# Allegro board 038RT-9068CJK8E-A100_0921_1.brd (continued)
## Placement (name value [footprint] x y rotation side) (continued)
UNK2RR401  0-5-S6  [R0603]  181.24 261.32 0 bottom
UNK2RR402  0-5-S6  [R0603]  165.48 273.73 0 bottom
UNK2RR403  0-5-S6  [R0603]  181.24 273.73 0 bottom
UNK2RR404  0-5-S6  [R0603]  181.24 262.84 0 bottom
UNK2RR405  0-5-S6  [R0603]  197 261.32 0 bottom
UNK2RR406  0-5-S6  [R0603]  181.24 275.26 0 bottom
UNK2RR407  0-5-S6  [R0603]  181.24 269.05 0 bottom
UNK2RR408  0-5-S6  [R0603]  165.48 261.32 0 bottom
UNK2RR409  0-5-S6  [R0603]  165.48 262.84 0 bottom
UNK2RR410  0-5-S6  [R0603]  165.48 267.53 0 bottom
UNK2RR411  0-5-S6  [R0603]  165.48 269.05 0 bottom
UNK2RR412  0-5-S6  [R0603]  181.24 267.53 0 bottom
UNK2RR413  0-5-S6  [R0603]  165.48 275.26 0 bottom
UNK2RR500  0-1-S2-YA  [R0201]  98.16 290.71 90 bottom
UNK2RR501  0-1-S2-YA  [R0201]  100.2 289.49 270 bottom
UNK2RR502  0-1-S2-YA  [R0201]  96.13 290.71 90 bottom
UNK2RR503  0-1-S2-YA  [R0201]  94.1 289.49 270 bottom
UNK2RR504  0-1-S2-YA  [R0201]  104.26 290.71 90 bottom
UNK2RR505  0-1-S2-YA  [R0201]  102.23 290.71 90 bottom
UNK2RR510  0-1-S2-YA  [R0201]  98.16 289.49 270 bottom
UNK2RR511  0-1-S2-YA  [R0201]  100.2 290.71 90 bottom
UNK2RR512  0-1-S2-YA  [R0201]  96.13 289.49 270 bottom
UNK2RR513  0-1-S2-YA  [R0201]  94.1 290.71 90 bottom
UNK2RR514  0-1-S2-YA  [R0201]  104.26 289.49 270 bottom
UNK2RR515  0-1-S2-YA  [R0201]  102.23 289.49 270 bottom
UNK2RR520  0-1-S2-YA  [R0201]  278.85 284.48 90 bottom
UNK2RR521  0-1-S2-YA  [R0201]  276.81 280.67 90 bottom
UNK2RR522  0-1-S2-YA  [R0201]  280.88 284.48 90 bottom
UNK2RR523  0-1-S2-YA  [R0201]  278.85 280.67 90 bottom
UNK2RR524  0-1-S2-YA  [R0201]  274.78 284.48 90 bottom
UNK2RR525  0-1-S2-YA  [R0201]  274.78 280.67 90 bottom
UNK2RR530  0-1-S2-YA  [R0201]  278.85 283.26 270 bottom
UNK2RR531  0-1-S2-YA  [R0201]  276.81 279.45 270 bottom
UNK2RR532  0-1-S2-YA  [R0201]  280.88 283.26 270 bottom
UNK2RR533  0-1-S2-YA  [R0201]  278.85 279.45 270 bottom
UNK2RR534  0-1-S2-YA  [R0201]  274.78 283.26 270 bottom
UNK2RR535  0-1-S2-YA  [R0201]  274.78 279.45 270 bottom
UNK2RR900  0-1-S2-YA  [R0201]  88 289.49 270 bottom
UNK2RR901  0-1-S2-YA  [R0201]  90.04 290.71 90 bottom
UNK2RR902  0-1-S2-YA  [R0201]  106.29 289.49 270 bottom
UNK2RR903  0-1-S2-YA  [R0201]  92.07 290.71 90 bottom
UNK2RR904  0-1-S2-YA  [R0201]  83.94 289.49 270 bottom
UNK2RR905  0-1-S2-YA  [R0201]  85.97 290.71 90 bottom
UNK2RR910  0-1-S2-YA  [R0201]  88 290.71 90 bottom
UNK2RR911  0-1-S2-YA  [R0201]  90.04 289.49 270 bottom
UNK2RR912  0-1-S2-YA  [R0201]  106.29 290.71 90 bottom
UNK2RR913  0-1-S2-YA  [R0201]  92.07 289.49 270 bottom
UNK2RR914  0-1-S2-YA  [R0201]  83.94 290.71 90 bottom
UNK2RR915  0-1-S2-YA  [R0201]  85.97 289.49 270 bottom
UNK2RR920  0-1-S2-YA  [R0201]  115.62 281.09 90 bottom
UNK2RR921  0-1-S2-YA  [R0201]  284.94 284.48 90 bottom
UNK2RR922  0-1-S2-YA  [R0201]  282.91 280.67 90 bottom
UNK2RR923  0-1-S2-YA  [R0201]  276.81 284.48 90 bottom
UNK2RR924  0-1-S2-YA  [R0201]  282.91 284.48 90 bottom
UNK2RR925  0-1-S2-YA  [R0201]  280.88 280.67 90 bottom
UNK2RR930  0-1-S2-YA  [R0201]  115.62 279.88 270 bottom
UNK2RR931  0-1-S2-YA  [R0201]  284.94 283.26 270 bottom
UNK2RR932  0-1-S2-YA  [R0201]  282.91 279.45 270 bottom
UNK2RR933  0-1-S2-YA  [R0201]  276.81 283.26 270 bottom
UNK2RR934  0-1-S2-YA  [R0201]  282.91 283.26 270 bottom
UNK2RR935  0-1-S2-YA  [R0201]  280.88 279.45 270 bottom
UNK2RRG49  10K-1-S4  [R0402]  94.47 240.02 270 bottom
UNK2RRG51  10K-1-S4  [R0402]  183.86 285.61 90 bottom
UNK2RRG52  NC/10K-1-S4  [R0402]  185.01 285.61 90 bottom
UNK2RRG53  10K-1-S4  [R0402]  183.86 283.32 270 bottom
UNK2RRG54  NC/10K-1-S4  [R0402]  185.01 283.32 270 bottom
UNK2RRG55  NC/10K-1-S4  [R0402]  199.1 285.61 90 bottom
UNK2RRG56  10K-1-S4  [R0402]  200.25 285.61 90 bottom
UNK2RRG57  NC/10K-1-S4  [R0402]  199.1 283.32 270 bottom
UNK2RRG58  10K-1-S4  [R0402]  200.25 283.32 270 bottom
UNK2RRG59  10K-1-S4  [R0402]  102.59 295.26 0 top
UNK2RRG91  10K-1-S4  [R0402]  148.01 285.56 90 bottom
UNK2RRG92  NC/10K-1-S4  [R0402]  149.15 285.56 90 bottom
UNK2RRG93  NC/10K-1-S4  [R0402]  148.01 283.27 270 bottom
UNK2RRG94  10K-1-S4  [R0402]  149.15 283.27 270 bottom
UNK2RRG95  NC/10K-1-S4  [R0402]  163.25 285.56 90 bottom
UNK2RRG96  10K-1-S4  [R0402]  164.39 285.56 90 bottom
UNK2RS5  NC/0-5-S4  [R0402]  264.34 269.36 90 bottom
UNK2RS6  100K-1-S4  [R0402]  155.15 457.76 0 top
UNK2RS7  0-5-SB  [R1210]  150.71 451.41 90 top
UNK2RS9  0-5-SB  [R1210]  151.34 459.03 0 top
UNK2RS11  NC/0-5-S4  [R0402]  300.57 242.4 90 bottom
UNK2RS104  10K-1-S4  [R0402]  248.39 428.41 0 bottom
UNK2RS114  10K-1-S4  [R0402]  250.52 428.41 180 bottom
UNK2RSG104  10K-1-S4  [R0402]  131.3 240.02 270 bottom
UNK2RSG105  10K-1-S4  [R0402]  113.52 237.61 270 bottom
UNK2RSG114  10K-1-S4  [R0402]  130.03 240.02 270 bottom
UNK2RSG115  10K-1-S4  [R0402]  113.52 240.02 90 bottom
UNK2RU11  4.7K-1-S4-WA  [R0402]  23.86 278.51 90 bottom
UNK2RU12  0-1-S4-YA  [R0402]  24.36 284.67 0 bottom
UNK2SPIH11  MX25L3233FM2I-08G-C-SO8/SK-SO8-1.27  [SK_SO8_1P27MM_LOTES]  315.79 441.75 0 top
UNK2SPIH21  MX25L3233FM2I-08G-C-SO8/SK-SO8-1.27  [SK_SO8_1P27MM_LOTES]  253.78 441.75 0 top
UNK2ST01  SHORT  [DEFAULT_SHORT_SMALL]  266.37 443.27 90 bottom
UNK2ST1  SHORT  [DEFAULT_SHORT_SMALL]  288.82 242.04 270 bottom
UNK2ST2  SHORT  [DEFAULT_SHORT_SMALL]  324.77 438.48 180 top
UNK2ST3  SHORT  [DEFAULT_SHORT_SMALL]  294.11 253.2 0 bottom
UNK2ST5  SHORT  [DEFAULT_SHORT_SMALL]  267.57 268.86 180 bottom
UNK2ST6  SHORT  [DEFAULT_SHORT_SMALL]  278.7 242.24 270 bottom
UNK2STB00  SHORT  [DEFAULT_SHORT_SMALL]  255.76 143.62 90 top
UNK2STB64  SHORT  [DEFAULT_SHORT_SMALL]  255.76 335.55 90 top
UNK2STG1  SHORT  [DEFAULT_SHORT_SMALL]  287.98 242.02 270 bottom
UNK2STG01  SHORT  [DEFAULT_SHORT_SMALL]  265.1 443.27 90 bottom
UNK2STG2  SHORT  [DEFAULT_SHORT_SMALL]  324.75 437.41 180 top
UNK2STG3  SHORT  [DEFAULT_SHORT_SMALL]  294.11 254.22 0 bottom
UNK2STG5  SHORT  [DEFAULT_SHORT_SMALL]  267.57 269.62 180 bottom
UNK2STG6  SHORT  [DEFAULT_SHORT_SMALL]  277.86 242.22 270 bottom
UNK2SWR1  SY8003EDFC-3A-A-DFN2X2-8  [DFN2X2_8P_1P9X0P5MM_EP]  154.84 454.9 180 top
UNK2T2  ACT1210L-201-2P-TL00  [FILTER_4P_9075AA]  64.82 252.31 0 top
UNK2T3  ACT1210L-201-2P-TL00  [FILTER_4P_9075AA]  64.82 247.1 0 top
UNK2T7  ACT1210L-201-2P-TL00  [FILTER_4P_9075AA]  248.28 266.12 0 bottom
UNK2T8  ACT1210L-201-2P-TL00  [FILTER_4P_9075AA]  240.73 262.57 180 bottom
UNK2T12  7490100161A  [TRANS_7490100161A_16P]  57.76 356.88 0 top
UNK2T13  7490100161A  [TRANS_7490100161A_16P]  57.8 337.34 0 top
UNK2T15  ACT1210L-201-2P-TL00  [FILTER_4P_9075AA]  240.73 270.19 180 bottom
UNK2T17  ACT1210L-201-2P-TL00  [FILTER_4P_9075AA]  248.28 273.74 0 bottom
UNK2T18  ACT1210G-800-2P-TL05  [FILTER_4P_9075AA]  287.2 279.69 270 bottom
UNK2T20  ACT1210L-201-2P-TL00  [FILTER_4P_9075AA]  79.61 263.02 0 bottom
UNK2T21  ACT1210L-201-2P-TL00  [FILTER_4P_9075AA]  79.61 258.32 0 bottom
UNK2T23  ACT1210G-800-2P-TL05  [FILTER_4P_9075AA]  293.8 279.69 270 bottom
UNK2T24  ACT1210G-800-2P-TL05  [FILTER_4P_9075AA]  59.89 270.62 0 top
UNK2T25  ACT1210G-800-2P-TL05  [FILTER_4P_9075AA]  59.89 275.26 0 top
UNK2U6  CU/PI2LVD512AE-TSSOP64  [TSOP64_280X05MM]  35.42 168.28 0 bottom
UNK2U17  CU/PI2LVD512AE-TSSOP64  [TSOP64_280X05MM]  24.94 330.58 180 bottom
UNK2U18  CU/PI2LVD512AE-TSSOP64  [TSOP64_280X05MM]  24.94 349.63 180 bottom
UNK2Y6  XTAL25M-S2520-AKER-20P  [XTAL_2X2P5MM_4P_NDK]  85.08 281.01 0 bottom
UNK2Y7  XTAL25M-S2520-AKER-20P  [XTAL_2X2P5MM_4P_NDK]  321.06 273.18 270 bottom
UNK2YH11  XTAL25M-S2520-AKER-20P  [XTAL_2X2P5MM_4P_NDK]  280.55 426.64 180 bottom
UNK2YH21  XTAL25M-S2520-AKER-20P  [XTAL_2X2P5MM_4P_NDK]  218.54 426.64 180 bottom
UNK3BD1  BD80-5A-S8-LA  [FB0805]  405.49 248.87 180 bottom
UNK3BD2  BD80-5A-S8-LA  [FB0805]  400.93 247.39 0 bottom
UNK3BD5  BD80-5A-S8-LA  [FB0805]  390.38 266.52 270 bottom
UNK3BD8  BD80-5A-S8-LA  [FB0805]  390.38 274.39 270 bottom
UNK3BD9  BD80-5A-S8-LA  [FB0805]  422.5 262.69 90 bottom
UNK3BD10  BD80-5A-S8-LA  [FB0805]  422.5 266.62 270 bottom
UNK3BD15  BD220-3A-S8  [FB0805]  351 278.76 180 bottom
UNK3BD16  BD220-3A-S8  [FB0805]  386.38 242.24 180 bottom
UNK3BD17  BD220-3A-S8  [FB0805]  423.72 242.24 180 bottom
UNK3BD18  BD220-3A-S8  [FB0805]  431.16 281.81 180 bottom
UNK3BD19  BD80-5A-S8-LA  [FB0805]  405.49 246.33 180 bottom
UNK3BD20  BD80-5A-S8-LA  [FB0805]  405.49 243.79 180 bottom
UNK3BDG1  BD80-5A-S8-LA  [FB0805]  580.65 265.14 90 bottom
UNK3BDG2  BD80-5A-S8-LA  [FB0805]  579.16 270.33 270 bottom
UNK3BDG5  BD80-5A-S8-LA  [FB0805]  598.3 281.65 180 bottom
UNK3BDG8  BD80-5A-S8-LA  [FB0805]  606.17 281.65 180 bottom
UNK3BDG9  BD80-5A-S8-LA  [FB0805]  594.18 249.02 0 bottom
UNK3BDG10  BD80-5A-S8-LA  [FB0805]  598.11 249.02 180 bottom
UNK3BDG15  BD220-3A-S8  [FB0805]  617.71 292.99 0 bottom
UNK3BDG16  BD220-3A-S8  [FB0805]  617.71 236.16 0 bottom
UNK3BDG17  BD220-3A-S8  [FB0805]  566.28 237.18 180 bottom
UNK3BDG18  BD220-3A-S8  [FB0805]  573.69 287.45 270 bottom
UNK3BDG19  BD80-5A-S8-LA  [FB0805]  578.11 265.14 90 bottom
UNK3BDG20  BD80-5A-S8-LA  [FB0805]  575.57 265.14 90 bottom
UNK3BDH11  BD80-5A-S8-LA  [FB0805]  470.67 274.05 180 bottom
UNK3BDH12  BD80-5A-S8-LA  [FB0805]  470.67 276.84 180 bottom
UNK3BDH13  BD80-5A-S8-LA  [FB0805]  444.69 245.39 0 bottom
UNK3BDH14  BD80-5A-S8-LA  [FB0805]  381.93 242.24 180 bottom
UNK3BDH21  BD80-5A-S8-LA  [FB0805]  439.48 419.76 0 bottom
UNK3BDH22  BD80-5A-S8-LA  [FB0805]  439.48 423.04 0 bottom
UNK3BDH23  BD80-5A-S8-LA  [FB0805]  378.47 418.8 90 bottom
UNK3BDH24  BD80-5A-S8-LA  [FB0805]  378.47 424 270 bottom
UNK3C13  47U-35-Y-S6.1X5.3-MU  [CKRM55WR7YA476MH01]  549.02 442.84 270 top
UNK3C18  10U-16-X7R-S8-SS  [C0805]  554.12 439.73 180 top
UNK3C19  0.1U-16-X7R-S4-TY  [C0402]  554.57 441.95 180 top
UNK3C75  18P-50-N-S4-SS  [C0402]  604.76 253.46 0 bottom
UNK3C76  18P-50-N-S4-SS  [C0402]  606.79 253.46 180 bottom
UNK3C78  0.1U-100-X-S8  [C0805]  530.17 441.22 180 top
UNK3C79  NC/10U-100-Y-S6.1X5.3-MU  [CKRM55TR72A106MH01]  528.26 446.3 180 top
UNK3C119  1000P-2K-X-SA  [C1206]  628.37 310.42 90 top
UNK3C144  10U-16-X7R-S8-SS  [C0805]  647.94 278.4 0 bottom
UNK3C145  10U-16-X7R-S8-SS  [C0805]  660.51 271.51 180 bottom
UNK3C168  18P-50-N-S4-SS  [C0402]  439.03 274.33 90 bottom
UNK3C169  18P-50-N-S4-SS  [C0402]  439.03 272.13 270 bottom
UNK3C171  0.01U-50-X7R-S4-YA  [C0402]  636.62 342.66 90 top
UNK3C172  1000P-2K-X-SA  [C1206]  628.37 329.96 90 top
UNK3C173  10U-16-X7R-S8-SS  [C0805]  657.72 141.61 270 bottom
UNK3C174  0.1U-16-X7R-S4-TY  [C0402]  668.51 197.36 90 bottom
UNK3C175  0.01U-50-X7R-S4-YA  [C0402]  669.78 197.36 90 bottom
UNK3C176  1000P-50-N-S4-SS  [C0402]  668.51 169.1 90 bottom
UNK3C177  0.01U-50-X7R-S4-YA  [C0402]  671.05 169.1 90 bottom
UNK3C178  0.1U-16-X7R-S4-TY  [C0402]  669.78 169.1 90 bottom
UNK3C179  0.1U-50-X-S6  [C0603]  630.82 280.77 0 top
UNK3C180  0.1U-50-X-S6  [C0603]  630.82 279.37 0 top
UNK3C181  4700P-50-X7R-S4-YA  [C0402]  633.37 278.1 180 top
UNK3C182  4700P-50-X7R-S4-YA  [C0402]  633.37 282.04 180 top
UNK3C183  0.1U-50-X-S6  [C0603]  630.82 285.98 0 top
UNK3C184  0.1U-50-X-S6  [C0603]  630.82 284.58 0 top
UNK3C185  10U-16-X7R-S8-SS  [C0805]  553.58 258.41 180 bottom
UNK3C194  4700P-50-X7R-S4-YA  [C0402]  358.41 266.82 180 bottom
UNK3C195  0.1U-50-X-S6  [C0603]  363.12 266.82 180 bottom
UNK3C196  0.1U-50-X-S6  [C0603]  363.12 265.42 180 bottom
UNK3C197  4700P-50-X7R-S4-YA  [C0402]  370.6 261.86 0 bottom
UNK3C198  0.1U-50-X-S6  [C0603]  365.89 261.86 0 bottom
UNK3C199  0.1U-50-X-S6  [C0603]  365.89 263.26 0 bottom
UNK3C209  10U-16-X7R-S8-SS  [C0805]  669.46 361.25 90 bottom
UNK3C213  10U-16-X7R-S8-SS  [C0805]  445.46 259.86 180 bottom
UNK3C214  10U-16-X7R-S8-SS  [C0805]  467.68 259.86 180 bottom
UNK3C217  10U-16-X7R-S8-SS  [C0805]  553.58 274.56 180 bottom
UNK3C220  10U-16-X7R-S8-SS  [C0805]  669.46 319.98 270 bottom
UNK3C292  100U-35-E-S6.3X7.7-NI  [EC_6P3X7P7MM_S]  563.76 441.92 90 top
UNK3C319  0.01U-50-X7R-S4-YA  [C0402]  668.51 164.97 90 bottom
UNK3C320  0.1U-16-X7R-S4-TY  [C0402]  669.78 164.97 90 bottom
UNK3C321  1000P-50-N-S4-SS  [C0402]  671.05 141.8 90 bottom
UNK3C322  0.01U-50-X7R-S4-YA  [C0402]  668.51 141.8 90 bottom
UNK3C323  0.1U-16-X7R-S4-TY  [C0402]  669.78 141.8 90 bottom
UNK3C324  0.01U-50-X7R-S4-YA  [C0402]  636.62 323.12 90 top
UNK3C325  NC/100U-100-E-S17.2X17.2-PAN  [ECS_19P1X19P1MM]  655.45 394.16 0 top
UNK3C375  4700P-50-X7R-S4-YA  [C0402]  370.6 269.48 0 bottom
UNK3C376  0.1U-50-X-S6  [C0603]  365.89 269.48 0 bottom
UNK3C377  0.1U-50-X-S6  [C0603]  365.89 270.88 0 bottom
UNK3C379  4700P-50-X7R-S4-YA  [C0402]  358.41 274.44 180 bottom
UNK3C381  0.1U-50-X-S6  [C0603]  363.12 273.04 180 bottom
UNK3C383  0.1U-50-X-S6  [C0603]  363.12 274.44 180 bottom
UNK3C384  0.1U-50-X-S6  [C0603]  406.49 284.71 90 bottom
UNK3C385  0.1U-50-X-S6  [C0603]  407.9 284.71 90 bottom
UNK3C391  4700P-50-X-S6  [C0603]  405.64 290.56 180 bottom
UNK3C399  4700P-50-X7R-S4-YA  [C0402]  618.58 267.4 180 bottom
UNK3C401  0.1U-50-X-S6  [C0603]  616.02 273.37 0 bottom
UNK3C402  0.1U-50-X-S6  [C0603]  616.02 270.07 0 bottom
UNK3C405  0.1U-50-X-S6  [C0603]  616.02 274.77 0 bottom
UNK3C406  4700P-50-X7R-S4-YA  [C0402]  618.58 272.1 180 bottom
UNK3C407  0.1U-50-X-S6  [C0603]  616.02 268.67 0 bottom
UNK3C412  0.1U-50-X-S6  [C0603]  413.1 284.71 90 bottom
UNK3C413  0.1U-50-X-S6  [C0603]  414.5 284.71 90 bottom
UNK3C418  4700P-50-X-S6  [C0603]  412.25 290.56 180 bottom
UNK3C421  0.1U-50-X-S6  [C0603]  635.73 262.52 0 top
UNK3C422  0.1U-50-X-S6  [C0603]  635.73 261.12 0 top
UNK3C427  4700P-50-X-S6  [C0603]  642.38 262.52 0 top
UNK3C430  0.1U-50-X-S6  [C0603]  635.73 257.88 0 top
UNK3C431  0.1U-50-X-S6  [C0603]  635.73 256.48 0 top
UNK3C436  4700P-50-X-S6  [C0603]  642.38 257.88 0 top
UNK3C439  NC/4.7P-50-N-S4-MU  [C0402]  669.54 264.07 180 top
UNK3C440  NC/4.7P-50-N-S4-MU  [C0402]  676.54 264.07 180 top
UNK3C441  NC/4.7P-50-N-S4-MU  [C0402]  669.54 283.12 180 top
UNK3C442  NC/4.7P-50-N-S4-MU  [C0402]  676.54 283.12 180 top
UNK3CD1  0.1U-16-X7R-S4-TY  [C0402_UNBGA_V2]  404.1 268.62 0 bottom
UNK3CD2  0.1U-16-X7R-S4-TY  [C0402_UNBGA_V2]  404.9 267.82 0 bottom
UNK3CD3  0.1U-16-X7R-S4-TY  [C0402_UNBGA_V2]  404.9 267.02 0 bottom
UNK3CD4  0.1U-16-X7R-S4-TY  [C0402_UNBGA_V2]  404.9 266.22 0 bottom
UNK3CD5  0.1U-16-X7R-S4-TY  [C0402_UNBGA_V2]  404.9 265.42 0 bottom
UNK3CD6  0.1U-16-X7R-S4-TY  [C0402_UNBGA_V2]  406.1 263.42 270 bottom
UNK3CD7  2.2U-10-X7S-S4-MU  [C0402_UNBGA_V2]  406.9 263.42 270 bottom
UNK3CD8  2.2U-10-X7S-S4-MU  [C0402_UNBGA_V2]  404.5 271.42 270 bottom
UNK3CD9  0.1U-16-X7R-S4-TY  [C0402_UNBGA_V2]  406.1 265.02 90 bottom
UNK3CD10  0.1U-16-X7R-S4-TY  [C0402_UNBGA_V2]  404.5 269.82 90 bottom
UNK3CD11  0.1U-16-X7R-S4-TY  [C0402_UNBGA_V2]  405.3 269.02 270 bottom
UNK3CD12  0.1U-16-X7R-S4-TY  [C0402_UNBGA_V2]  405.3 271.42 270 bottom
UNK3CD13  0.1U-16-X7R-S4-TY  [C0402_UNBGA_V2]  405.3 263.42 270 bottom
UNK3CD14  0.1U-16-X7R-S4-TY  [C0402_UNBGA_V2]  406.1 269.02 270 bottom
UNK3CD15  0.1U-16-X7R-S4-TY  [C0402_UNBGA_V2]  405.53 254.75 180 bottom
UNK3CD16  2.2U-10-X7S-S4-MU  [C0402_UNBGA_V2]  400.1 267.82 0 bottom
UNK3CD17  0.1U-16-X7R-S4-TY  [C0402_UNBGA_V2]  399.7 266.62 270 bottom
UNK3CD18  2.2U-10-X7S-S4-MU  [C0402_UNBGA_V2]  406.9 271.42 270 bottom
UNK3CD19  0.1U-16-X7R-S4-TY  [C0402_UNBGA_V2]  405.53 253.92 180 bottom
UNK3CD20  10U-16-X7R-S8-SS  [C0805]  519.43 453.31 0 top
UNK3CD21  10U-16-X7R-S8-SS  [C0805]  513.71 434.26 0 top
UNK3CD22  47U-10-X7R-SB-MU  [C1210]  519.43 448.87 270 top
UNK3CD23  47U-10-X7R-SB-MU  [C1210]  513.71 448.87 270 top
UNK3CD24  NC/100U-16-T-SC  [CODE_C]  513.71 440.61 270 top
UNK3CD25  NC/100U-16-T-SC  [CODE_C]  519.43 440.61 270 top
UNK3CD26  0.1U-16-X7R-S4-TY  [C0402_UNBGA_V2]  408.9 271.02 180 bottom
UNK3CD27  0.1U-16-X7R-S4-TY  [C0402_UNBGA_V2]  404.1 273.42 0 bottom
UNK3CD28  0.1U-16-X7R-S4-TY  [C0402_UNBGA_V2]  403.7 271.42 90 bottom
UNK3CD29  0.1U-16-X7R-S4-TY  [C0402_UNBGA_V2]  403.7 260.22 90 bottom
UNK3CD30  0.1U-16-X7R-S4-TY  [C0402_UNBGA_V2]  406.9 269.82 90 bottom
UNK3CD31  0.1U-16-X7R-S4-TY  [C0402_UNBGA_V2]  410.5 270.22 0 bottom
UNK3CD32  0.1U-16-X7R-S4-TY  [C0402_UNBGA_V2]  408.9 270.22 180 bottom
UNK3CD33  0.1U-16-X7R-S4-TY  [C0402_UNBGA_V2]  406.1 260.22 90 bottom
UNK3CD34  0.1U-16-X7R-S4-TY  [C0402_UNBGA_V2]  407.7 261.82 90 bottom
UNK3CD35  0.1U-16-X7R-S4-TY  [C0402_UNBGA_V2]  401.3 260.22 90 bottom
UNK3CD36  0.1U-16-X7R-S4-TY  [C0402_UNBGA_V2]  407.7 269.82 90 bottom
UNK3CD37  0.1U-16-X7R-S4-TY  [C0402_UNBGA_V2]  406.9 261.02 90 bottom
UNK3CD38  0.1U-16-X7R-S4-TY  [C0402_UNBGA_V2]  408.9 271.82 180 bottom
UNK3CD39  2.2U-10-X7S-S4-MU  [C0402_UNBGA_V2]  408.5 261.82 90 bottom
UNK3CD40  2.2U-10-X7S-S4-MU  [C0402_UNBGA_V2]  410.1 271.42 90 bottom
UNK3CD41  2.2U-10-X7S-S4-MU  [C0402_UNBGA_V2]  400.5 260.22 90 bottom
UNK3CD42  0.1U-16-X7R-S4-TY  [C0402_UNBGA_V2]  402.9 261.02 90 bottom
UNK3CD43  2.2U-10-X7S-S4-MU  [C0402_UNBGA_V2]  400.1 270.22 180 bottom
UNK3CD44  0.1U-16-X7R-S4-TY  [C0402_UNBGA_V2]  405.3 260.22 90 bottom
UNK3CD45  10U-16-X7R-S8-SS  [C0805]  502.23 442.95 180 top
UNK3CD46  10U-16-X7R-S8-SS  [C0805]  502.23 440.44 180 top
UNK3CD47  47U-10-X7R-SB-MU  [C1210]  507.11 438.53 0 top
UNK3CD48  NC/100U-16-T-SC  [CODE_C]  505.46 447.93 0 top
UNK3CD49  47U-10-X7R-SB-MU  [C1210]  507.11 443.1 0 top
UNK3CD50  NC/100U-16-T-SC  [CODE_C]  505.46 453.01 0 top
UNK3CD51  0.1U-16-X7R-S4-TY  [C0402_UNBGA_V2]  410.5 268.62 0 bottom
UNK3CD52  0.1U-16-X7R-S4-TY  [C0402_UNBGA_V2]  407.7 272.22 270 bottom
UNK3CD53  0.1U-16-X7R-S4-TY  [C0402_UNBGA_V2]  410.5 269.42 0 bottom
UNK3CD54  0.1U-16-X7R-S4-TY  [C0402_UNBGA_V2]  410.9 272.22 270 bottom
UNK3CD55  0.1U-16-X7R-S4-TY  [C0402_UNBGA_V2]  401.3 271.42 90 bottom
UNK3CD56  0.1U-16-X7R-S4-TY  [C0402_UNBGA_V2]  402.1 271.42 90 bottom
UNK3CD57  2.2U-10-X7S-S4-MU  [C0402_UNBGA_V2]  408.5 273.02 90 bottom
UNK3CD58  0.1U-16-X7R-S4-TY  [C0402_UNBGA_V2]  402.9 271.42 90 bottom
UNK3CD59  0.1U-16-X7R-S4-TY  [C0402_UNBGA_V2]  408.9 268.62 180 bottom
UNK3CD60  0.1U-16-X7R-S4-TY  [C0402_UNBGA_V2]  409.3 261.02 270 bottom
UNK3CD61  2.2U-10-X7S-S4-MU  [C0402_UNBGA_V2]  406.5 272.62 180 bottom
UNK3CD62  2.2U-10-X7S-S4-MU  [C0402_UNBGA_V2]  400.1 271.02 180 bottom
UNK3CD63  2.2U-10-X7S-S4-MU  [C0402_UNBGA_V2]  411.7 272.22 270 bottom
UNK3CD64  2.2U-10-X7S-S4-MU  [C0402_UNBGA_V2]  404.5 261.02 270 bottom
UNK3CD65  2.2U-10-X7S-S4-MU  [C0402_UNBGA_V2]  408.9 269.42 180 bottom
UNK3CD66  2.2U-10-X7S-S4-MU  [C0402_UNBGA_V2]  400.1 271.82 180 bottom
UNK3CD67  2.2U-10-X7S-S4-MU  [C0402_UNBGA_V2]  410.1 261.02 270 bottom
UNK3CD68  0.1U-16-X7R-S4-TY  [C0402_UNBGA_V2]  402.1 269.82 270 bottom
UNK3CD69  2.2U-10-X7S-S4-MU  [C0402_UNBGA_V2]  405.7 270.22 180 bottom
UNK3CD70  2.2U-10-X7S-S4-MU  [C0402_UNBGA_V2]  405.3 261.82 90 bottom
UNK3CD71  0.1U-16-X7R-S4-TY  [C0402_UNBGA_V2]  402.9 269.82 270 bottom
UNK3CD72  0.1U-16-X7R-S4-TY  [C0402_UNBGA_V2]  401.7 268.62 0 bottom
UNK3CD73  0.1U-16-X7R-S4-TY  [C0402_UNBGA_V2]  403.7 269.82 90 bottom
UNK3CD74  10U-16-X7R-S8-SS  [C0805]  386.09 262.71 270 bottom
UNK3CD75  10U-16-X7R-S8-SS  [C0805]  352.82 434.26 0 top
UNK3CD76  47U-10-X7R-SB-MU  [C1210]  352.82 448.23 270 top
UNK3CD77  NC/100U-16-T-SC  [CODE_C]  352.82 439.98 270 top
UNK3CD78  47U-10-X7R-SB-MU  [C1210]  347.1 448.23 270 top
UNK3CD79  NC/100U-16-T-SC  [CODE_C]  347.1 439.98 270 top
UNK3CD80  1U-16-X-S6-TY  [C0603]  405.52 252.77 180 bottom
UNK3CD81  10U-16-X7R-S8-SS  [C0805]  405.49 251.02 180 bottom
UNK3CD82  1U-16-X-S6-TY  [C0603]  400.93 251.29 0 bottom
UNK3CD83  0.1U-16-X7R-S4-TY  [C0402_UNBGA_V2]  408.1 264.62 0 bottom
UNK3CD84  0.1U-16-X7R-S4-TY  [C0402_UNBGA_V2]  407.7 263.42 270 bottom
UNK3CD85  0.1U-16-X7R-S4-TY  [C0402_UNBGA_V2]  408.5 263.42 270 bottom
UNK3CD86  10U-16-X7R-S8-SS  [C0805]  400.9 249.53 0 bottom
UNK3CD87  1U-16-X-S6-TY  [C0603]  394.28 262.7 90 bottom
UNK3CD88  10U-16-X7R-S8-SS  [C0805]  392.53 262.73 90 bottom
UNK3CD89  0.1U-16-X7R-S4-TY  [C0402_UNBGA_V2]  415.15 250.4 180 bottom
UNK3CD90  1U-16-X-S6-TY  [C0603]  394.28 266.51 270 bottom
UNK3CD91  0.1U-16-X7R-S4-TY  [C0402_UNBGA_V2]  408.1 260.59 180 bottom
UNK3CD92  0.1U-16-X7R-S4-TY  [C0402_UNBGA_V2]  410.9 264.22 90 bottom
UNK3CD93  10U-16-X7R-S8-SS  [C0805]  363.71 434.26 180 top
UNK3CD94  10U-16-X7R-S8-SS  [C0805]  415.13 241.7 0 bottom
UNK3CD95  47U-10-X7R-SB-MU  [C1210]  363.71 429.82 270 top
UNK3CD96  10U-16-X7R-S8-SS  [C0805]  392.53 266.54 270 bottom
UNK3CD97  47U-10-X7R-SB-MU  [C1210]  363.71 419.91 270 top
UNK3CD98  1U-16-X-S6-TY  [C0603]  411.1 251.32 180 bottom
UNK3CD99  10U-16-X7R-S8-SS  [C0805]  411.08 249.57 180 bottom
UNK3CD100  1U-16-X-S6-TY  [C0603]  415.14 249.26 180 bottom
UNK3CD104  1U-16-X-S6-TY  [C0603]  394.28 274.38 270 bottom
UNK3CD105  10U-16-X7R-S8-SS  [C0805]  392.53 274.41 270 bottom
UNK3CD106  1U-16-X-S6-TY  [C0603]  418.6 262.7 90 bottom
UNK3CD107  10U-16-X7R-S8-SS  [C0805]  420.35 262.67 90 bottom
UNK3CD108  10U-16-X7R-S8-SS  [C0805]  395.58 249.53 180 bottom
UNK3CD109  1U-16-X-S6-TY  [C0603]  405.49 241.57 0 bottom
UNK3CD110  1U-16-X-S6-TY  [C0603]  400.93 245.5 180 bottom
UNK3CD111  1U-16-X-S6-TY  [C0603]  388.11 262.71 270 bottom
UNK3CD112  1U-16-X-S6-TY  [C0603]  415.13 243.46 0 bottom
UNK3CD113  1U-10-X7R-S8  [C0805]  388.11 266.52 90 bottom
UNK3CD114  22U-10-X7S-S8-TDK  [C0805]  392.25 270.13 180 bottom
UNK3CD115  10U-16-X7R-S8-SS  [C0805]  386.09 266.52 90 bottom
UNK3CD116  10U-16-X7R-S8-SS  [C0805]  347.1 434.26 0 top
UNK3CD117  NC/100U-16-T-SC  [CODE_C]  352.82 421.56 270 top
UNK3CD118  47U-10-X7R-SB-MU  [C1210]  347.1 429.82 270 top
UNK3CD119  47U-10-X7R-SB-MU  [C1210]  352.82 429.82 270 top
UNK3CD120  NC/100U-16-T-SC  [CODE_C]  347.1 421.56 270 top
UNK3CD121  10U-16-X7R-S8-SS  [C0805]  368.79 434.26 180 top
UNK3CD122  10U-16-X7R-S8-SS  [C0805]  375.14 434.26 180 top
UNK3CD123  47U-10-X7R-SB-MU  [C1210]  368.69 448.23 270 top
UNK3CD124  NC/100U-16-T-SC  [CODE_C]  375.04 439.98 270 top
UNK3CD125  47U-10-X7R-SB-MU  [C1210]  375.04 448.23 270 top
UNK3CD126  NC/100U-16-T-SC  [CODE_C]  368.69 439.98 270 top
UNK3CD127  0.1U-16-X7R-S4-TY  [C0402_UNBGA_V2]  402.5 265.42 180 bottom
UNK3CD128  0.1U-16-X7R-S4-TY  [C0402_UNBGA_V2]  404.1 263.02 180 bottom
UNK3CD129  0.1U-16-X7R-S4-TY  [C0402_UNBGA_V2]  402.1 262.62 90 bottom
UNK3CD130  0.1U-16-X7R-S4-TY  [C0402_UNBGA_V2]  402.1 264.22 270 bottom
UNK3CD131  0.1U-16-X7R-S4-TY  [C0402_UNBGA_V2]  399.7 264.22 270 bottom
UNK3CD132  0.1U-16-X7R-S4-TY  [C0402_UNBGA_V2]  399.7 262.62 270 bottom
UNK3CD133  0.1U-16-X7R-S4-TY  [C0402_UNBGA_V2]  399.7 261.02 270 bottom
UNK3CD134  2.2U-10-X7S-S4-MU  [C0402_UNBGA_V2]  402.1 261.02 270 bottom
UNK3CD135  1U-16-X-S6-TY  [C0603]  395.6 243.46 0 bottom
UNK3CD136  2.2U-10-X7S-S4-MU  [C0402_UNBGA_V2]  397.7 269.42 180 bottom
UNK3CD137  0.1U-16-X7R-S4-TY  [C0402_UNBGA_V2]  399.3 269.42 0 bottom
UNK3CD138  0.1U-16-X7R-S4-TY  [C0402_UNBGA_V2]  397.3 273.02 90 bottom
UNK3CD139  0.1U-16-X7R-S4-TY  [C0402_UNBGA_V2]  398.5 272.62 0 bottom
UNK3CD140  1U-16-X-S6-TY  [C0603]  418.6 266.64 270 bottom
UNK3CD141  10U-16-X7R-S8-SS  [C0805]  420.35 266.61 270 bottom
UNK3CD142  10U-16-X7R-S8-SS  [C0805]  415.11 247.5 180 bottom
UNK3CD143  1U-16-X-S6-TY  [C0603]  395.61 251.29 180 bottom
UNK3CD144  1U-16-X-S6-TY  [C0603]  388.11 274.39 90 bottom
UNK3CD145  2.2U-10-X7S-S4-MU  [C0402_UNBGA_V2]  412.9 262.22 0 bottom
UNK3CD146  0.1U-16-X7R-S4-TY  [C0402_UNBGA_V2]  417.46 262.71 90 bottom
UNK3CD147  0.1U-16-X7R-S4-TY  [C0402_UNBGA_V2]  410.9 262.62 90 bottom
UNK3CD148  0.1U-16-X7R-S4-TY  [C0402_UNBGA_V2]  411.3 261.42 180 bottom
UNK3CD149  1U-16-X-S6-TY  [C0603]  424.39 262.69 270 bottom
UNK3CD150  2.2U-10-X7S-S4-MU  [C0402_UNBGA_V2]  412.9 267.82 0 bottom
UNK3CD151  0.1U-16-X7R-S4-TY  [C0402_UNBGA_V2]  411.3 267.82 180 bottom
UNK3CD152  0.1U-16-X7R-S4-TY  [C0402_UNBGA_V2]  411.3 271.02 180 bottom
UNK3CD154  1U-16-X-S6-TY  [C0603]  424.39 266.62 90 bottom
UNK3CD155  10U-16-X7R-S8-SS  [C0805]  411.09 243.76 0 bottom
UNK3CD156  10U-16-X7R-S8-SS  [C0805]  358 434.26 180 top
UNK3CD157  NC/100U-16-T-SC  [CODE_C]  363.61 439.98 270 top
UNK3CD158  47U-10-X7R-SB-MU  [C1210]  363.61 448.23 270 top
UNK3CD159  47U-10-X7R-SB-MU  [C1210]  357.9 448.23 270 top
UNK3CD160  NC/100U-16-T-SC  [CODE_C]  357.9 439.98 270 top
UNK3CD161  2.2U-10-X7S-S4-MU  [C0402_UNBGA_V2]  406.5 267.82 180 bottom
UNK3CD162  0.1U-16-X7R-S4-TY  [C0402_UNBGA_V2]  406.5 267.02 180 bottom
UNK3CD163  0.1U-16-X7R-S4-TY  [C0402_UNBGA_V2]  402.5 267.02 180 bottom
UNK3CD164  0.1U-16-X7R-S4-TY  [C0402_UNBGA_V2]  402.5 266.22 180 bottom
UNK3CD165  0.1U-16-X7R-S4-TY  [C0402_UNBGA_V2]  408.1 267.02 0 bottom
UNK3CD166  0.1U-16-X7R-S4-TY  [C0402_UNBGA_V2]  408.1 267.82 0 bottom
UNK3CD167  1U-16-X-S6-TY  [C0603]  411.09 245.53 0 bottom
UNK3CD168  22U-10-X7S-S8-TDK  [C0805]  351 282.25 180 bottom
UNK3CD169  10U-16-X7R-S8-SS  [C0805]  513.71 453.31 0 top
UNK3CD170  10U-16-X7R-S8-SS  [C0805]  519.43 434.26 0 top
UNK3CD171  47U-10-X7R-SB-MU  [C1210]  513.71 429.82 270 top
UNK3CD172  NC/100U-16-T-SC  [CODE_C]  519.43 421.56 270 top
UNK3CD173  47U-10-X7R-SB-MU  [C1210]  519.43 429.82 270 top
UNK3CD174  NC/100U-16-T-SC  [CODE_C]  513.71 421.56 270 top
